# Altium PCB PCB1.PcbDoc (continued)
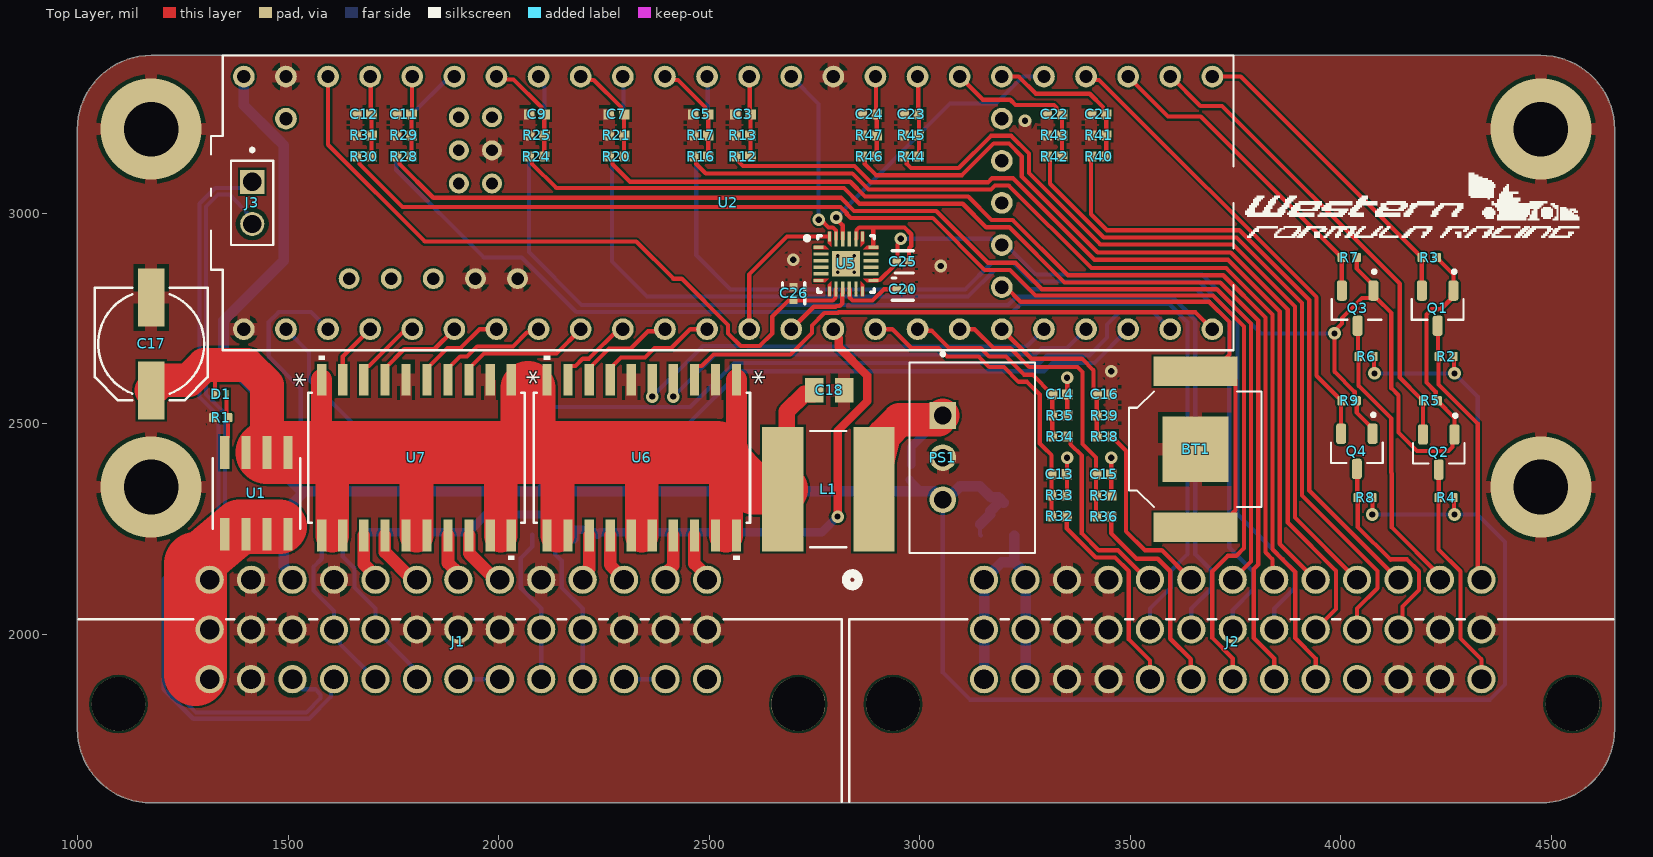
[diagram p0: Top Layer view]
## Footprints (in the part's own frame and the unit in brackets; to place one, negate y for a bottom-side part, rotate by r counter-clockwise, add the part's x,y. Pads: shape width x height; smd on the part's side, far side on the other; paste and mask are expansions set on the pad) (continued)
  rrect25% 0.5x0.55 smd: 1(-0.45,0) 2(0.45,0)
  body extent -0.5,-0.25 0.5,0.25, height 0.3
SO-8_AOS [mil]
  rect 78x22 smd paste+0 mask+0: 1(-97,75) 2(-97,25) 3(-97,-25) 4(-97,-75) 5(97,-75) 6(97,-25) 7(97,25) 8(97,75)
  silkscreen extent -84,-104 84,104, body extent -122,-99 122,99, height 69
SOIC127P600X175-8N [mm]
  rect 1.5x0.6 smd: 1(-2.65,1.905) 2(-2.65,0.635) 3(-2.65,-0.635) 4(-2.65,-1.905) 5(2.65,-1.905) 6(2.65,-0.635) 7(2.65,0.635) 8(2.65,1.905)
  silkscreen extent -2.84,-2.45 1.58,2.64
SOIC-20_INF [mil]
  rect 75x22 smd paste+0 mask+0: 1(-185,225) 2(-185,175) 3(-185,125) 4(-185,75) 5(-185,25) 6(-185,-25) 7(-185,-75) 8(-185,-125) 9(-185,-175) 10(-185,-225) 11(185,-225) 12(185,-175) 13(185,-125) 14(185,-75) 15(185,-25) 16(185,25) 17(185,75) 18(185,125) 19(185,175) 20(185,225)
  silkscreen extent -242,-257 242,257, body extent -209,-252 209,252, height 104
SOT95P237X111-3N [mm]
  rrect50% 1.23x0.6 smd: 1(-1.06,0.95) 2(-1.06,-0.95) 3(1.06,0)
  silkscreen extent -2.3,-1.56 0.7,1.56
WURTH_61300211121 [mm]
  rect 1.45x1.45 / inner round 1.45 / far side rect 1.45x1.45 hole 1.1: 01(-1.27,0)
  round 1.45 hole 1.1: 02(1.27,0)
  silkscreen extent -3.29,-1.27 2.54,1.27

## Part data
BT1: library part CMP-240-000000-1, Package=None, Availability=Unavailable, Component Type=Standard, Design Item ID=2998TR, MP=2998TR, Pin Count=3, Price=None, Source=2998TR.SchLib
C1 C2 C29 C30: library part CMP-001-00065-4, "Chip Capacitor, 100nF +/-20%, 25V, 0402, Thickness 0.6 mm", Case/Package=0402, Max Operating Temperature=85°C, Min Operating Temperature=-55°C, Tolerance=10%, Voltage Rating=25V, Mounting Technology=SMT, Pins=2
C3 C4 C5 C6 C7 C8 C9 C10 C11 C12 C13 C14 C15 C16 C21 C22 C23 C24: library part CMP-001-00107-1, "33nF capacitor"
C17: library part CMP-174-000000-1, "100 ÂµF 35 V Aluminum Electrolytic Capacitors Radial, Can - SMD - 2000 Hrs @ 105Â°C", Package="Radial WÃ¼rth Elektronik", Availability="In Stock", Check_prices=https://www.snapeda.com/parts/865080545012/Wurth+Elektronik/view-part/?ref=eda, Component Type=Standard, Design Item ID=865080545012, MF="WÃ¼rth Elektronik", MP=865080545012, Pin Count=2, Price=None, Purchase-URL=https://pricing.snapeda.com/search/part/865080545012/?ref=eda, SnapEDA_Link=https://www.snapeda.com/parts/865080545012/Wurth+Elektronik/view-part/?ref=snap, Source=865080545012.SchLib
C18: library part CMP-001-00102-1, "SMD capacitor X5R(EIA) with capacitance 10uF Tol.10%. Rated voltage 50Vdc 85C", Case/Package="2012 Murata", Availability=Warning, Component Type=Standard, Design Item ID=GRM21BR61H106KE43L, DigiKey-Purchase-URL=https://snapeda.com/shop?store=DigiKey&id=4467420, MF="Murata Electronics", Mouser-Purchase-URL=https://snapeda.com/shop?store=Mouser&id=4467420, MP=GRM21BR61H106KE43L, Pins=2, Price=None, SnapEDA_Link=https://www.snapeda.com/parts/GRM21BR61H106KE43L/Murata/view-part/4467420/?ref=snap, Source=GRM21BR61H106KE43L.SchLib
C19: library part CMP-001-00066-3, "Chip Capacitor, 1nF +/-20%, 50V, 0402, Thickness 0.33 mm", Case/Package=0402, Max Operating Temperature=85°C, Min Operating Temperature=-55°C, Tolerance=10%, Voltage Rating=50V, Mounting Technology=SMT, Pins=2
C20 C25 C28: library part CMP-13271-002336-1, "Cap Ceramic 100nF 50V X7R ±10% SMD 0402 +125°C Paper T/R"
C26: library part CMP-13271-000387-1, "Cap Ceramic 10nF 50V X7R ±10% SMD 0402 +125°C Paper T/R", Capacitance=10nF, Case Code (Imperial)=0402, Case Code (Metric)=1005, Dielectric=X7R, Max Operating Temperature=125°C, Min Operating Temperature=-55°C, Package Quantity=1, Tolerance=10%, Voltage=50V, Case/Package=0402, Contact Plating=Tin, Depth=0.5mm, Height=0.5mm, Lead Free="Lead Free", Length=1mm, Material=Ceramic, Mount="Surface Mount", Packaging="Tape and Reel", Radiation Hardening=No, Thickness=0.022inch, Voltage Rating=50V, Voltage Rating (DC)=50V, Width=0.02inch
C27: library part CMP-001-00109-1, Case/Package=None, Availability=Unavailable, Component Type=Standard, Design Item ID=GRM31CR61A107MEA8L, MP=GRM31CR61A107MEA8L, Pins=2, Price=None, Source=GRM31CR61A107MEA8L.SchLib
D1: library part CMP-122-000001-1, "No Description Available", Mfr_Name=Vishay, Copyright="Copyright (C) 2023 Ultra Librarian. All rights reserved.", Design Item ID=BZX884B12L-HG3-08, Manufacturer_Part_Number=BZX884B12L-HG3-08, RefDes=RefDes, Source=BZX884B12L-HG3-08.SchLib, Type=DEV
F1: library part CMP-005-00022-2, "No Description Available", Mfr_Name=Eaton, Copyright="Copyright (C) 2023 Ultra Librarian. All rights reserved.", Design Item ID=PTSLR06036V300, Manufacturer_Part_Number=PTSLR06036V300, RefDes=RefDes, Source=PTSLR06036V300.SchLib, Type=DEV
J1 J2: library part CMP-208-000000-6, "No Description Available", Mfr_Name="JAE Electronics", Copyright="Copyright (C) 2023 Ultra Librarian. All rights reserved.", Design Item ID=MX47039NF1, Manufacturer_Part_Number=MX47039NF1, RefDes=RefDes, Source=MX47039NF1.SchLib, Type=DEV
J3: library part CMP-002-00083-1, "Connector Header Through Hole 2 position 0.100 (2.54mm)", Case/Package=None, Check_prices=https://www.snapeda.com/parts/61300211121/Wurth+Electronics+Inc./view-part/?ref=eda, Component Type=Standard, Design Item ID=61300211121, MF="Wurth Electronics", MP=61300211121, Pins=2, SnapEDA_Link=https://www.snapeda.com/parts/61300211121/Wurth+Electronics+Inc./view-part/?ref=snap, Source=61300211121.SchLib
L1: library part CMP-006-00026-1, "Line Inductors for RECOM Power Supply", Case/Package="Nonstandard Recom Power", Arrow_Electronics-Purchase-URL=https://snapeda.com/shop?store=Arrow+Electronics&id=3641538, Availability=Bad, Component Type=Standard, Design Item ID=RLS-186, DigiKey-Purchase-URL=https://snapeda.com/shop?store=DigiKey&id=3641538, MF="Recom Power", Mouser-Purchase-URL=https://snapeda.com/shop?store=Mouser&id=3641538, MP=RLS-186, Pins=2, Price=None, SnapEDA_Link=https://www.snapeda.com/parts/RLS-186/Recom%20Power/view-part/3641538/?ref=snap, Source=RLS-186.SchLib
PS1: library part CMP-009-00200-1, "1A DC/DC-Converter 'INNOLINE' SIP3 reg", Case/Package=None, Availability="In Stock", Check_prices=https://www.snapeda.com/parts/R-78K5.0-1.0/Recom+Power/view-part/?ref=eda, Component Type=Standard, Design Item ID=R-78K5.0-1.0, MF="Recom Power", MP=R-78K5.0-1.0, Pins=3, Price=None, Purchase-URL=https://pricing.snapeda.com/search/part/R-78K5.0-1.0/?ref=eda, SnapEDA_Link=https://www.snapeda.com/parts/R-78K5.0-1.0/Recom+Power/view-part/?ref=snap, Source=R-78K5.0-1.0.SchLib
Q1 Q2 Q3 Q4: library part CMP-017-000000-1, "N-Channel 60V 260mA _Ta_ 300mW _Ta_ Surface Mount SOT-23-3 _TO-236_", Package="SOT-23 ON Semiconductor", Availability=Unavailable, Component Type=Standard, Design Item ID=NTR5103NT1G, MF="ON Semiconductor", MP=NTR5103NT1G, Pin Count=3, Price=None, SnapEDA_Link=https://www.snapeda.com/parts/NTR5103NT1G/ON%20Semiconductor/view-part/565803/?ref=snap, Source=SnapEDAsch.SchLib
R1 R2 R3 R4 R5 R6 R7 R8 R9: library part CMP-009-00168-3, "Chip Resistor, 100 kOhms, +/-1 %, 63 mW, -55 to 155 degC, 0402", Case/Package=0402, Max Operating Temperature=155°C, Min Operating Temperature=-55°C, Power=63mW, Tolerance=1%, Pins=2
R12 R14: library part CMP-009-00205-1, "20k", Case/Package=0402
R13 R15 R17 R19 R21 R23 R25 R27 R29 R31 R33 R35 R37 R39 R41 R43 R45 R47: library part CMP-009-00206-1, "30k Resistor"
R16 R18 R20 R22 R24 R26 R28 R30 R32 R34 R36 R38 R40 R42 R44 R46: library part CMP-009-00205-1, Case/Package=0402
U1: library part CMP-119-000000-1, "No Description Available", Mfr_Name="Alpha and Omega Semiconductor", Copyright="Copyright (C) 2023 Ultra Librarian. All rights reserved.", Design Item ID=AO4425, Manufacturer_Part_Number=AO4425, RefDes=RefDes, Source=AO4286.SchLib, Type=DEV
U2: library part CMP-160-000000-1, "RT1062 Teensy 4.1 series ARMÂ® CortexÂ®-M7 MPU Embedded Evaluation Board", Package=None, Availability="In Stock", Check_prices=https://www.snapeda.com/parts/DEV-16771/SparkFun+Electronics/view-part/?ref=eda, Component Type=Standard, Design Item ID=DEV-16771, MF="SparkFun Electronics", MP=DEV-16771, Pin Count=65, Price=None, Purchase-URL=https://pricing.snapeda.com/search/part/DEV-16771/?ref=eda, SnapEDA_Link=https://www.snapeda.com/parts/DEV-16771/SparkFun+Electronics/view-part/?ref=snap, Source=DEV-16771.SchLib
U3 U4: library part CMP-229-000000-1, "1/1 Transceiver Half CANbus 8-SOIC", Package="SO-8 Microchip", Component Type=Standard, Design Item ID=MCP2562T-E/SN, Digi-Key_Part_Number=MCP2562T-E/SNCT-ND, Digi-Key_Purchase_URL=https://www.digikey.com/product-detail/en/microchip-technology/MCP2562T-E-SN/MCP2562T-E-SNCT-ND/5011025?utm_source=snapeda&utm_medium=aggregator&utm_campaign=symbol, MF=Microchip, MP=MCP2562T-E/SN, Pin Count=8, SnapEDA_Link=https://www.snapeda.com/parts/MCP2562T-E/SN/Microchip/view-part/554377/?ref=snap, Source=SnapEDAsch.SchLib
U5: library part CMP-2000-05154-1, "3-Axis Gyroscope and 3-Axis Accelerometer Motion Processing Unit with I2C and SPI, 1.71 to 3.45 V, -40 to 85 degC, 24-Pin QFN, RoHS, Tape and Reel", Manufacturer=InvenSense, Standard Package=1, Article Library=MCUsasSensorHubs, Category=Sensors,Transducers, Datasheet URL=https://datasheet.ciiva.com/29175/mpu-6500-spec-29175093.pdf, Datasheet Version="Rev. 1.0, 09/2013", Dynamic Catalog=MPU-6500Series, Family=Multifunction, Featured Product=InvenSense-MPU-6500Six-Axis(Gyro+Acceleromete)MEMSMotionTrackingDevices, Manufacturer URL=http://www.invensense.com/, Online Catalog=MPU-6500Series, Other Names=1428-1011-6, Output Type=Digital, Sensor Type=GyroscopeandAccelerometer, Series=-
U6 U7: library part CMP-201-000000-1, "No Description Available", Mfr_Name=Infineon, Copyright="Copyright (C) 2023 Ultra Librarian. All rights reserved.", Design Item ID=BTS724G, Manufacturer_Part_Number=BTS724G, RefDes=RefDes, Source=BTS724G.SchLib, Type=DEV

## Via types
v1: diameter 30/30/30/30 (per signal layer), hole 15, Top Layer to Bottom Layer, tented both sides, 17 vias
v2: diameter 19.68, hole 7.87, Top Layer to Bottom Layer, 4 vias
v3: diameter 240/240/240/240 (per signal layer), hole 130, Top Layer to Bottom Layer, 4 vias
v4: diameter 30/30/30/30 (per signal layer), hole 15, Top Layer to Bottom Layer, tented top, 1 vias

## Nets (pads, with @x,y where several pads share a name; then routed paths per layer and width w, separated by ;. In a path a pad name is that pad's centre, name@x,y a point inside that pad or via, vN(x,y) a via of type N, cw(c..) or ccw(c..) an arc to the next point about the centre after c; other vN are vias at no path point)
3.3-2V: C26.1 U2.3.3V_2 U5.8 | length 1669.7
  Top Layer w10: U2.3.3V_2 1595,3162.94 1824.83,2933.11 2326.89,2933.11 2415,2845 2435,2845 2545,2735 2545,2715 2575,2685 2619.97,2685 2649.98,2715.01 2649.98,2754.98 2688.47,2793.47 2727.28,2793.47 2727.52,2793.23 2793.71,2793.23 2800.32,2799.83 2800.32,2819.88 U5.8
3.3-3V: C25.1 Q1.1 Q2.1 Q3.1 Q4.1 R3.2 R5.2 R7.2 R9.2 U2.3.3V_3 U5.13 | length 2817.8
  Top Layer w10: U5.13 2891.02,2841.69 2905.17,2841.69 2939.95,2876.48 2939.95,2880.7 2944.25,2885 C25.1 ; C25.1@2947.21,2885 2947.21,2926.79 2955,2934.59 v1(2955,2940) ; R7.2 4037.72,2868.82 4077.4,2829.13 Q3.1 Q3.1@4077.4,2806.04 ; Q4.1 4075.51,2489.13 4037.72,2526.93 R9.2 4032.87,2559.84 4032.87,2576.24 3985,2624.12 v1(3985,2715) 3985,2720.41 4002.97,2738.38 4002.97,2751.68 4050.59,2799.3 4070.66,2799.3 Q3.1@4077.4,2806.04 ; R3.2 4227.72,2894.02 4232.56,2889.17 4233.54,2889.17 4267.4,2855.31 Q1.1 4261.15,2810.48 4261.15,2796.15 4237.48,2772.48 4215.44,2772.48 4203.19,2760.23 4203.19,2598.64 4225.59,2576.24 4225.59,2559.84 R5.2 4230.43,2554.02 4270,2514.45 Q2.1 4265,2470 4265,2445 4255.79,2435.79 4180.63,2435.79 4137,2479.42 4137,2568 4120,2585 4120,2763.44 4085.37,2798.08 4084.14,2798.08 4077.4,2804.82 Q3.1@4077.4,2806.04
  Bottom Layer w10: v1(2955,2940) 3168.69,2940 3183.77,2924.92 3205.08,2924.92 3275,2855 3670.63,2855 3810.63,2715 v1(3985,2715)
3.3V: C29.1 C30.1 U2.3.3V_1 U3.5 U4.5 | length 1719.7
  Top Layer w20: U2.3.3V_1 2795,2716.4 2807.72,2703.68 2807.72,2682.28 2875,2615 2875,2553.6 2805,2483.6 v1(2805,2280)
  Bottom Layer w20: U3.5 1680,2241.06 1681.81,2242.87 1723.74,2242.87 C29.1@1729.17,2237.44 ; C29.1@1730.83,2237.44 1736.26,2242.87 1927.84,2242.87 1969.97,2285 2140.29,2285 2176.34,2248.95 2211.25,2248.95 2217.33,2242.87 2228.74,2242.87 2234.33,2237.28 C30.1 ; U4.5 U4.5@2180,2240.33 ; C30.1@2235.83,2237.44 2241.26,2242.87 2767.87,2242.87 v1(2805,2280)
5VS: F1.2 J2.12 J2.13 J2.25 J2.26 J2.38 J2.39 | length 677.5
  Bottom Layer w25: J2.39 J2.26 J2.13 3194.66,2171.79 3224.5,2171.79 ; F1.2 3224.5,2171.79 ; J2.38 J2.25 J2.12 3251.3,2144.98 3224.5,2171.79
24V: C17.POS C18.1 D1.1 L1.1 U1.1 U1.2 U1.3 U6.1 U6.10 U6.11 U6.12 U6.15 U6.16 U6.19 U6.20 U7.1 U7.10 U7.11 U7.12 U7.15 U7.16 U7.19 U7.20 | length 3612
  Top Layer w10: 1325,2640 1326.5,2638.5 D1.1 ; 1580,2432 1605,2407 ; 2561.5,2388.5 2565,2392
  Top Layer w40: L1.1 2684.21,2354.21 2684.21,2529.21 2726.06,2571.06 2747.72,2571.06 2749.57,2572.91 C18.1
  Top Layer w50: 1580,2432 U7.10 ; 2565,2392 U6.1
  Top Layer w80: C17.POS 1198.9,2603.66 1263.66,2603.66 1300,2640 1325,2640 1403.14,2640 1450,2593.14 U1.2 ; 1605,2235 1605,2407 ; 1805,2235 1805,2410 ; 2005,2235 2005,2400 ; 2140,2235 2140,2385 ; 2340,2235 2340,2390 ; 2540,2235 2540,2360
  Top Layer w120: 2518,2432 2561.5,2388.5 2605,2345 L1.1
  Top Layer w130: 2070,2432 2070,2585
  Top Layer w150: U1.2 U1.1 1580,2432 2070,2432 2518,2432
24VI/O1: J2.1 Q1.3 R2.1 | length 646.3
  Top Layer w10: Q1.3 4231.14,2732.13 4231.14,2666.14 4232.28,2665 4232.28,2593.59 4325,2500.87 4325,2138.98 J2.1
24VI/O2: J2.27 Q2.3 R4.1 | length 540
  Top Layer w10: Q2.3 4232.6,2325.31 R4.1 4232.28,2201.86 4284.05,2150.09 4284.05,1990.95 4333.98,1941.02 J2.27
24VI/O3: J2.2 Q3.3 R6.1 | length 684.3
  Top Layer w10: Q3.3 4041.14,2732.13 4041.14,2661.14 R6.1 4042.28,2590.87 4120,2513.16 4120,2384.08 4121.21,2382.87 4121.21,2253.79 4235.55,2139.45 J2.2
24VI/O4: J2.16 Q4.3 R8.1 | length 487.2
  Top Layer w10: Q4.3 4039.06,2392.32 R8.1@4039.06,2325 ; R8.1 4040,2255.54 4118.79,2176.75 4120.54,2178.5 4157.22,2178.5 4185.63,2150.09 4185.63,2105.63 4146.3,2066.3 4146.3,2021.06 J2.16
+5: C1.1 C2.1 C19.2 C27.1 C28.1 F1.1 J1.11 PS1.3 R2.2 R4.2 R6.2 R8.2 U2.VIN U3.3 U4.3 | length 6773.3
  Top Layer w10: v1(4075,2285) 4075.22,2285.22 4075.22,2324.78 R8.2 ; R6.2 4078.86,2658.86 4078.86,2621.14 v1(4080,2620) ; R4.2 4268.86,2323.86 4268.86,2286.14 v1(4270,2285) ; R2.2 4268.86,2658.86 4268.86,2621.14 v1(4270,2620)
  Bottom Layer w10: 3000,2340 3000,2343.27 ; PS1.3@3035,2340 PS1.3 3055,1910 3119.72,1845.28 4354.07,1845.28 4390,1881.21 4390,2220 4325,2285 ; 3143.39,2261.61 3143.39,2237.11 F1.1 ; 3167.4,2285.61 C27.1@3167.4,2292.13 ; C27.1@3187.8,2312.52 C27.1 ; v1(4075,2285) v1(4270,2285) 4325,2285 ; v1(4080,2620) v1(4270,2620) 4325,2565 4325,2285
  Bottom Layer w20: C19.2@2975.98,2367.28 3000,2343.27
  Bottom Layer w25: U2.VIN 1395,3256.69 1475.02,3176.67 1475.36,3176.67 1490,3162.03 1490,2888.15 1346.75,2744.91 1346.75,2653.25 1450,2550 1450,2421.18 1531.18,2340 1540,2340 ; J1.11 1510.75,2141.37 1490,2162.11 1490,2290 1540,2340 ; C1.1 1617.72,2494.02 1630,2481.73 U3.3 1630,2360.86 1609.14,2340 ; C2.1 2117.72,2494.02 2130,2481.73 U4.3 2130,2372.82 2097.18,2340 ; PS1.3@3035,2340 3000,2340 2097.18,2340 ; PS1.3 3063.45,2320 3095.71,2352.26 3142.74,2352.26 3169.59,2325.41 3187.11,2325.41 C27.1 ; 3143.39,2261.61 3167.4,2285.61 ; C27.1@3167.4,2292.13 C27.1@3187.8,2312.52 ; 1540,2340 1609.14,2340 ; 1609.14,2340 2097.18,2340
A1: C3.1 R12.2 R13.1 U2.14 | length 191.2
  Top Layer w10: U2.14 2596.56,3323.37 2596.56,3236.56 C3.1 R12.2
A2: C4.1 R14.2 R15.1 U2.15 | length 191.2
  Bottom Layer w10: U2.15 2496.56,3323.37 2496.56,3236.56 C4.1 R14.2
A3: C5.1 R16.2 R17.1 U2.16 | length 246.3
  Top Layer w10: U2.16 2402.94,3316.98 2425.92,3316.98 2490.51,3252.39 2490.51,3242.2 2497.72,3235 C5.1 R16.2
A4: C6.1 R18.2 R19.1 U2.17 | length 191.2
  Bottom Layer w10: U2.17 2296.56,3323.37 2296.56,3236.56 C6.1 R18.2
A5: C7.1 R20.2 R21.1 U2.18 | length 246.3
  Top Layer w10: U2.18 2202.94,3316.98 2225.92,3316.98 2290.51,3252.39 2290.51,3242.2 2297.72,3235 C7.1 R20.2
A6: C8.1 R22.2 R23.1 U2.19 | length 196
  Bottom Layer w10: U2.19 2095,3313.69 2108.94,3299.76 C8.1 2108.52,3234.59 2108.52,3135.41 R22.2
A7: C9.1 R24.2 R25.1 U2.20 | length 257.5
  Top Layer w10: U2.20 2001.94,3317.98 2035.75,3317.98 2101.34,3252.39 2101.34,3242.2 2108.54,3235 C9.1 2108.52,3234.59 2108.52,3135.41 R24.2
A8: C10.1 R26.2 R27.1 U2.21 | length 239.3
  Bottom Layer w10: R26.2 R27.1 1793.5,3234.49 1883.94,3324.92 U2.21
A9: C11.1 R28.2 R29.1 U2.22 | length 190.7
  Top Layer w10: R28.2 C11.1 1794.06,3235.94 1794.06,3323.98 U2.22
A10: C12.1 R30.2 R31.1 U2.23 | length 191.2
  Top Layer w10: U2.23 1696.56,3323.37 1696.56,3236.56 C12.1 R30.2
A11: C13.1 R32.2 R33.1 U2.24 | length 754.8
  Top Layer w10: U2.24 2935.08,2724.92 2980,2680 3045,2680 3065,2660 3140,2660 3165,2635 3200,2635 3235,2600 3255,2600 3285,2570 3285,2453.59 3295.79,2442.8 3312.72,2425.87 C13.1 R33.1 R32.2
A12: C14.1 R34.2 R35.1 U2.25 | length 483.8
  Top Layer w10: U2.25 2998.77,2721.15 3028.85,2721.15 3070,2680 3145,2680 3165,2660 3205,2660 3248,2617 3267.61,2617 C14.1 R35.1 R34.2
A13: C15.1 R36.2 R37.1 U2.26 | length 690.3
  Top Layer w10: U2.26 3130.08,2724.92 3175,2680 3215,2680 3260,2635 3375,2635 3386.69,2623.31 3386.69,2452.53 3418.58,2420.64 C15.1 R37.1 R36.2
A14: C16.1 R38.2 R39.1 U2.27 | length 418.8
  Top Layer w10: U2.27 3264.92,2655 3385,2655 3412.64,2627.36 3412.64,2577.2 3419.84,2570 C16.1 R39.1 R38.2
A15: C21.1 R40.2 R41.1 U2.38 | length 391.3
  Top Layer w10: U2.38 3235.08,3324.92 3275.83,3284.17 3403.73,3284.17 3435.51,3252.39 3435.51,3242.2 3442.72,3235 C21.1 R41.1 R40.2
A16: C22.1 R42.2 R43.1 U2.39 | length 382.3
  Top Layer w10: U2.39 3149.92,3270 3215,3270 3227.8,3257.2 3318.63,3257.2 3324.49,3251.35 3324.49,3248.06 3330.35,3242.2 3330.91,3242.2 C22.1 R43.1 R42.2
A17: C23.1 R44.2 R45.1 U2.40 | length 191.2
  Top Layer w10: U2.40 2996.56,3323.37 2996.56,3236.56 C23.1 R45.1 R44.2
A18: C24.1 R46.2 R47.1 U2.41 | length 191.2
  Top Layer w10: U2.41 2896.56,3323.37 2896.56,3236.56 C24.1 R47.1 R46.2
"Analog IN 1": J2.5 R12.1 | length 2128.2
  Top Layer w10: R12.1 2562.28,3135 2569.49,3127.8 2569.49,3123.46 2580.16,3112.8 2845.12,3112.8 2884.12,3073.8 3162.21,3073.8 3171.81,3083.4 3221.6,3083.4 3415,2890 3731.8,2890 3855,2766.8 3855,2215.28 J2.5
"Analog IN 2": J2.19 R14.1 | length 2450
  Bottom Layer w10: R14.1 2462.28,3135 2469.49,3127.8 2469.49,2901.02 2550.96,2819.55 3107.96,2819.55 3171.08,2882.67 3222.33,2882.67 3267,2838 3663.59,2838 3755,2746.59 3755,2285.44 3890.35,2150.09 3890.35,2109.91 3841.85,2061.41 J2.19
"Analog IN 3": J2.31 R16.1 | length 2453.8
  Top Layer w10: R16.1 2462.28,3135 2469.49,3127.8 2469.49,3117.61 2492.09,3095 2840,3095 2878.2,3056.8 3169.25,3056.8 3178.85,3066.4 3211.27,3066.4 3407.67,2870 3727.76,2870 3838,2759.76 3838,2202.44 3861.94,2178.5 3891.78,2148.66 3891.78,1991.8 3940.28,1943.3 J2.31
"Analog IN 4": J2.20 R18.1 | length 2604.3
  Bottom Layer w10: R18.1 2262.28,3135 2269.49,3127.8 2269.49,2885.51 2352.45,2802.55 3115,2802.55 3178.12,2865.67 3214.33,2865.67 3260,2820 3657.55,2820 3732.07,2745.48 3735,2742.55 3735,2732.69 cw(c3695,2724.92) 3735,2717.15 3735,2207.02 3791.93,2150.09 3791.93,2106.93 3743.43,2058.43 J2.20
"Analog IN 5": J2.6 R20.1 | length 2354.8
  Top Layer w10: R20.1 2262.28,3135 2269.49,3127.8 2269.49,3122.96 2270.51,3121.94 2270.51,3116.58 2312.09,3075 2835,3075 2870.2,3039.8 3115.2,3039.8 3170.83,2984.17 3220.83,2984.17 3352,2853 3720.71,2853 3821,2752.71 3821,2195.4 3837.9,2178.5 3837.9,2133.95 J2.6
"Analog IN 6": J2.21 R22.1 | length 2663.7
  Bottom Layer w10: R22.1 2071.89,2908.11 2197.33,2782.67 3210.37,2782.67 3229.71,2802 3599.59,2802 3654.25,2747.34 3654.25,2190.75 3693.5,2151.5 3693.5,2109.91 3645,2061.41 J2.21
"Analog IN 7": J2.32 R24.1 | length 2775.7
  Top Layer w10: R24.1 2072.28,3135 2079.49,3127.8 2079.49,3117.61 2137.09,3060 2820,3060 2857.2,3022.8 3102.2,3022.8 3157.83,2967.17 3212.83,2967.17 3344,2836 3713.67,2836 3804,2745.67 3804,2166.53 3793.35,2155.88 3793.35,1991.65 3841.85,1943.15 J2.32
"Analog IN 8": J2.22 R26.1 | length 2842.8
  Bottom Layer w10: R26.1 1756.89,3103.11 1965,2895 2055,2895 2184.33,2765.67 3220.67,2765.67 3240,2785 3592.55,2785 3632.82,2744.73 3635.75,2741.8 3635.75,2190.75 3596.5,2151.5 3596.5,2111.34 3546.58,2061.41 J2.22
"Analog IN 9": J2.7 R28.1 | length 2826.9
  Top Layer w10: R28.1 1757.28,3135 1764.49,3127.8 1764.49,3117.61 1844.89,3037.2 2812.8,3037.2 2844.2,3005.8 3039.2,3005.8 3162.33,2882.67 3227.33,2882.67 3290,2820 3705.63,2820 3787,2738.63 3787,2173.57 J2.7
"Analog IN 10": J2.33 R30.1 | length 3183.9
  Top Layer w10: R30.1 1662.28,3135 1669.49,3127.8 1669.49,3117.61 1772.09,3015 2791.11,3015 2791.51,3015.4 2812.22,3015.4 2826.86,3000.76 2826.86,2998.14 2836.2,2988.8 3031.2,2988.8 3154.33,2865.67 3214.33,2865.67 3275,2805 3696.59,2805 3770,2731.59 3770,2205 3751.88,2186.88 3731.72,2186.88 3694.93,2150.09 3694.93,1991.8 3743.43,1943.3 J2.33
"Analog IN 11": J2.35 R32.1 | length 495.6
  Top Layer w10: R32.1@3349.33,2280.83 3349.33,2251.63 3417.96,2183 3463.74,2183 3496.65,2150.09 3496.65,1988.35 3546.58,1938.42 J2.35
"Analog IN 12": J2.9 R34.1 | length 451.5
  Top Layer w10: R34.1 3351.22,2470 3358.42,2462.8 3358.42,2451.58 3385,2425 3385,2240 3425,2200 3470.96,2200 3540.96,2130 J2.9
"Analog IN 13": J2.34 R36.1 | length 494.4
  Top Layer w10: R36.1 3454.8,2240.2 3515,2180 3565.17,2180 3595.08,2150.09 3595.08,1989.92 3643.58,1941.42 3643.58,1895.2 J2.34
"Analog IN 14": J2.8 R38.1 | length 441.8
  Top Layer w10: R38.1 3456.85,2470 3464.06,2462.8 3464.06,2462.4 3490,2436.46 3490,2245 3535,2200 3575,2200 J2.8
"Analog IN 15": J2.3 R40.1 | length 1491.4
  Top Layer w10: R40.1 3406.89,2998.11 3445,2960 3759.04,2960 3925,2794.04 3925,2342.13 J2.3
"Analog IN 16": J2.17 R42.1 | length 1653.2
  Top Layer w10: R42.1 3302.28,3135 3309.49,3127.8 3309.49,3070.51 3437,2943 3752,2943 3908,2787 3908,2330.06 4087.2,2150.85 4087.2,2109.91 4038.7,2061.41 J2.17
"Analog IN 17": J2.4 R44.1 | length 1883.3
  Top Layer w10: R44.1 2962.28,3135 2969.49,3127.8 2969.49,3117.61 2979.3,3107.8 3092.8,3107.8 3169.17,3184.17 3217.42,3184.17 3259.33,3142.26 3259.33,3095.67 3429,2926 3744,2926 3891,2779 3891,2277.7 J2.4
"Analog IN 18": J2.18 R46.1 | length 2086
  Top Layer w10: R46.1 2862.28,3135 2869.49,3127.8 2869.49,3117.61 2896.3,3090.8 3100.8,3090.8 3175.67,3165.67 3211.88,3165.67 3242.33,3135.22 3242.33,3087.67 3422.93,2907.07 3738.77,2907.07 3874,2771.84 3874,2266 3988.78,2151.22 3988.78,2060.39 J2.18
"CAN1 H": J1.23 J1.35 U3.7 | length 412.1
  Bottom Layer w10: U3.7@1580,2237 1580,2180 1560.67,2160.67 1560.67,2104.33 1609.17,2055.83 1609.17,1996.47 1623.63,1982.01 1623.63,1977.75 J1.35
"CAN1 L": J1.22 J1.34 U3.6 | length 416.1
  Bottom Layer w10: U3.6@1630,2237 1630,2185 1657.67,2157.33 1657.67,2111.34 1707.6,2061.41 J1.22 1795.12,1924.37 1795.12,1904.69 J1.34
"CAN1 RX": U2.0 U3.4 | length 378.6
  Bottom Layer w10: U2.0 1550,2669.92 1550,2605 1680,2475 U3.4@1680,2423
"CAN1 TX": U2.1 U3.1 | length 517.7
  Bottom Layer w10: U3.1@1530,2423 1530,2584.07 1454.25,2659.81 1454.25,2741.8 1478.12,2765.67 1554.25,2765.67 U2.1
"CAN2 H": J1.18 J1.31 U4.7 | length 374.6
  Bottom Layer w10: U4.7@2080,2237 2080,2209 2052.8,2181.8 2052.8,2109.91 2101.3,2061.41 J1.18 J1.31
"CAN2 L": J1.17 J1.30 U4.6 | length 372.1
  Bottom Layer w10: U4.6@2130,2237 2134.61,2232.39 2134.61,2190.39 2149.8,2175.2 2149.8,2111.34 2199.72,2061.41 J1.17 J1.30
"CAN2 RX": U2.30 U4.4 | length 1456.3
  Bottom Layer w10: U4.4 2183,2437.33 2183,2473 2210,2500 2450,2500 2575,2625 3295,2625 3315,2645 3415.08,2645 U2.30
"CAN2 TX": U2.31 U4.1 | length 1781.5
  Bottom Layer w10: U4.1 2030,2509.42 2060.58,2540 2455,2540 2560,2645 3285,2645 3303,2663 3403,2663 3445,2705 3445,2736.31 3474.36,2765.67 3554.25,2765.67 U2.31
GND: BT1.N C1.2 C2.2 C3.2 C4.2 C5.2 C6.2 C7.2 C8.2 C9.2 C10.2 C11.2 C12.2 C13.2 C14.2 C15.2 C16.2 C17.NEG C18.2 C20.2 C21.2 C22.2 C23.2 C24.2 C25.2 C26.2 C27.2 C28.2 C29.2 C30.2 J1.5 J1.10 J1.12 J1.14 J1.15 J1.16 J1.19 J1.20 J1.21 J1.24 J1.25 J1.38 J2.10 J2.11 J2.14 J2.15 J2.23 J2.24 J2.28 J2.29 J2.36 J2.37 PS1.2 R1.1 R13.2 R15.2 R17.2 R19.2 R21.2 R23.2 R25.2 R27.2 R29.2 R31.2 R33.2 R35.2 R37.2 R39.2 R41.2 R43.2 R45.2 R47.2 U2.GND1 U2.GND2 U2.GND3 U2.GND4 U2.GND5 U2.USB_GND1 U2.USB_GND2 U3.2 U3.8 U4.2 U4.8 U5.18 U5.20 U6.2 U6.6 U7.2 U7.6 | length 546.3
  Top Layer w10: U5.20 2849.69,2940.12 2849.69,2960.17 2856.29,2966.77 2890,2966.77 ; U5.18 2889.96,2966.73 2890,2966.77 ; C25.2 2974.9,2917.28 2980,2922.38 2980,2950.36 2963.58,2966.77 2890,2966.77 ; R33.2 3349.47,2331.36 3349.47,2419.47 v1(3350,2420) ; v1(3350,2610) 3350.41,2609.59 3350.41,2520.41 R35.2 ; R37.2 3454.9,2330.1 3454.9,2419.9 v1(3455,2420)
  other v1: 3050,2875 2700,2890 3250,3220
  other v3: 1175,2350 4475,2350 1175,3200 4475,3200
  other v4: 3455,2625
HSD1: J1.1 U6.18 | length 117.4
  Top Layer w30: U6.18 2465,2168.59 2495,2138.59 J1.1
HSD2: J1.2 U6.17 | length 112.6
  Top Layer w30: J1.2 2396.57,2145.42 2415,2163.85 U6.17
HSD3: J1.3 U6.14 | length 118.7
  Top Layer w30: U6.14 2265,2165.44 2298.15,2132.29 J1.3
HSD4: J1.4 U6.13 | length 111.3
  Top Layer w30: J1.4 2199.72,2140.01 2215,2155.29 U6.13
HSD5: J1.6 U7.18 | length 141.1
  Top Layer w30: U7.18 1930,2192.86 1992.86,2130 J1.6
HSD6: J1.7 U7.17 | length 115.1
  Top Layer w30: U7.17 1880,2169.87 1904.45,2145.42 J1.7
HSD7: J1.8 U7.14 | length 142.4
  Top Layer w30: U7.14 1730,2196.01 1796.01,2130 J1.8
HSD8: J1.9 U7.13 | length 116.4
  Top Layer w30: U7.13 1680,2166.75 1707.6,2139.15 J1.9
HSDIN1: U2.32 U6.3 | length 1338.7
  Top Layer w10: U6.3 2465,2631.36 2471,2637.36 2482.36,2637.36 2510.08,2665.08 2692.78,2665.08 2743.93,2716.22 2743.93,2733.93 2773.23,2763.23 2806.14,2763.23 2807.91,2765 3654.92,2765 U2.32
HSDIN2: U2.28 U6.5 | length 1036.3
  Top Layer w10: v1(2365,2565) U6.5
  Bottom Layer w10: v1(2365,2565) 2485,2685 2586.83,2685 ccw(c2595,2724.92) 2595,2684.17 3195,2684.17 ccw(c3195,2724.92) 3195.59,2684.18 3255.08,2685 3258.01,2687.93 U2.28
HSDIN3: U2.10 U6.7 | length 295.2
  Top Layer w10: U6.7 2265,2631.5 2291,2657.5 2347.5,2657.5 2370,2680 2410,2680 2454.92,2724.92 U2.10
HSDIN4: U2.8 U6.9 | length 195.1
  Top Layer w10: U6.9 2165,2631.36 2171,2637.36 2182.36,2637.36 2200,2655 2215,2655 2284.92,2724.92 U2.8
HSDIN5: U2.7 U7.3 | length 330.2
  Top Layer w10: U7.3 1930,2631.5 1965.61,2667.11 2137.19,2667.11 U2.7
HSDIN6: U2.5 U7.5 | length 230.2
  Top Layer w10: U7.5 1830,2631.5 1878.5,2680 1910,2680 1954.92,2724.92 U2.5
HSDIN7: U2.4 U7.7 | length 230.2
  Top Layer w10: U7.7 1730,2631.5 1775.74,2677.24 1847.32,2677.24 U2.4
HSDIN8: U2.2 U7.9 | length 146.8
  Top Layer w10: U7.9 1630,2659.92 U2.2
HSDST1/2: U2.29 U6.4 | length 1086.2
  Top Layer w10: v1(2415,2565) U6.4
  Bottom Layer w10: v1(2415,2565) 2515,2665 3275,2665 3290,2680 3350.08,2680 U2.29
HSDST3/4: U2.9 U6.8 | length 245.2
  Top Layer w10: U6.8 2215,2631.5 2262.25,2678.75 2313.75,2678.75 2355,2720 2390.08,2720 U2.9
HSDST5/6: U2.6 U7.4 | length 280.2
  Top Layer w10: U7.4 1880,2631.5 1908.74,2660.24 1925.24,2660.24 1949.11,2684.11 1995.41,2684.11 2034.11,2684.11 2066.98,2716.98 2087.06,2716.98 U2.6
HSDST7/8: U2.3 U7.8 | length 180.2
  Top Layer w10: U7.8 1680,2631.5 1686,2637.5 1692.5,2637.5 1771.98,2716.98 1787.06,2716.98 U2.3
I/O1: Q1.2 R3.1 U2.33 | length 753.8
  Top Layer w10: U2.33 3762.36,3324.92 R3.1 4192.44,2894.84 4192.44,2816.89 Q1.2
I/O2: Q2.2 R5.1 U2.34 | length 1130.3
  Top Layer w10: U2.34 3596.4,3324.92 3666.33,3255 3718.16,3255 4140,2833.16 4140,2610 4189.17,2560.83 4190.16,2560.83 4195,2555.98 R5.1 4195.1,2554.9 4195.1,2475.1 Q2.2
I/O3: Q3.2 R7.1 U2.35 | length 764.3
  Top Layer w10: U2.35 3589.92,3230 3667.28,3230 3996.46,2900.83 3997.44,2900.83 4002.28,2895.98 R7.1 4002.44,2894.84 Q3.2@4002.44,2829.13 ; Q3.2 Q3.2@4002.6,2829.13
I/O4: Q4.2 R9.1 U2.36 | length 1112.9
  Top Layer w10: U2.36 3402.94,3316.98 3426.1,3316.98 3942,2801.08 3942,2614.34 R9.1@4001.34,2555 ; Q4.2 R9.1@4000.71,2555
MISO: U2.12 U5.9 | length 181.8
  Top Layer w10: U2.12 2748.31,2778.23 2799.92,2778.23 2801.69,2780 2810.21,2780 2816.06,2785.86 2816.06,2808.51 2817.13,2809.57 U5.9
MOSI: U2.11 U5.24 | length 358
  Top Layer w10: U2.11 2595,2855 2684.96,2944.96 U5.24
nCS: U2.37 U5.22 | length 691.7
  Top Layer w10: v1(2801.86,2990.4) 2801.86,2987.03 2817.13,2971.77 U5.22
  Bottom Layer w10: v1@2799.56,2990.4 v1(2801.86,2990.4) 3072.13,3260.67 3181.3,3260.67 3245.56,3324.92 U2.37
NetBT1_P1: BT1.P1 BT1.P2 U2.VBAT | length 1219.3
  Top Layer w10: U2.VBAT 3205.08,2824.92 3240,2790 3687.55,2790 3735.75,2741.8 3735.75,2665.04 BT1.P2@3705.71,2635 ; BT1.P1@3655,2264.92 3719.96,2264.92 3750,2294.96 3750,2604.96 3719.96,2635 BT1.P2@3705.71,2635 ; BT1.P2@3655,2635 BT1.P2@3705.71,2635
NetC19_1: C19.1 L1.2 PS1.1 | length 551.2
  Top Layer w10: L1.2@2891.54,2443.43 2912.86,2464.75 L1.2@2935.75,2487.64 ; 3014.94,2495.33 3030.33,2495.33 PS1.1
  Top Layer w80: L1.2 2896.63,2396.68 2912.86,2464.75 2914.84,2473.06 2951.78,2510 3045,2510 PS1.1
  Bottom Layer w20: C19.1 2980,2445 PS1.1
NetC20_1: C20.1 U5.10 | length 146.5
  Top Layer w10: U5.10 2833.94,2819.88 2833.94,2799.83 2840.54,2793.23 2888.23,2793.23 2915,2820 C20.1
NetD1_2: D1.2 R1.2 U1.4 | length 142.9
  Top Layer w10: U1.4 1350,2460 1357.72,2467.72 R1.2 1354,2518.72 1354,2569.5 D1.2
NetJ1_13: J1.13 J1.26 J1.39 U1.5 U1.6 U1.7 U1.8 | length 495
  Top Layer w130: 1280,2168 1281.2,2169.01 1355.58,2231.34 1384.95,2255.96 1385,2256 1480,2256
  Top Layer w150: 1280,1905 1280,2168
NetJ1_28: J1.28 J1.29 | length 98.4
  Bottom Layer w10: J1.29 J1.28
NetJ1_32: J1.32 J1.33 | length 98.4
  Bottom Layer w10: J1.33 J1.32
SCLK: U2.13 U5.23 | length 439
  Top Layer w10: v1(2760,2985) 2765.41,2985 2783.64,2966.77 2793.71,2966.77 2801.38,2959.1 U5.23
  Bottom Layer w10: U2.13 2760,3259.92 v1(2760,2985)
USB_N: J1.37 J3.02 | length 1860.1
  Bottom Layer w10: J3.02 1415,2987.74 1401.71,3001.03 1401.71,3003.29 1367.69,3037.31 1367.69,3038.25 1360.94,3045 1333.38,3045 1305,3016.62 1305,2569.85 1350,2524.85 1350,2255 1220,2125 1220,1876.21 1281.21,1815 1543.49,1815 1577.29,1848.8 1577.29,1857.08 1575.35,1859.02 cw(c1609.17,1893.78) 1569.11,1866.44 1568.48,1867.07 ; J1.37 1534.53,1870 1565.55,1870 1568.46,1867.09
USB_P: J1.36 J3.01 | length 1864
  Bottom Layer w10: J3.01 1400,3060 1327.17,3060 1290,3022.83 1290,2563.63 1335,2518.63 1335,2261.21 1205,2131.21 1205,1870 1275,1800 1549.71,1800 1602.04,1852.33 1602.04,1886.64 J1.36
pads on no net: J1.27 J1.40 J1.41 J2.30 J2.40 J2.41 U2.5V U2.D+ U2.D- U2.LED U2.ON/OFF U2.PROGRAM U2.R+ U2.R- U2.T+ U2.T- U2.VUSB U5.1 U5.2 U5.3 U5.4 U5.5 U5.6 U5.7 U5.11 U5.12 U5.14 U5.15 U5.16 U5.17 U5.19 U5.21 U5.25
copper on no net:
  other v2: 2805.32,2860.32 2844.68,2860.32 2805.32,2899.68 2844.68,2899.68

## Polygon pours and split planes (outlines as drawn)
GND on Layer 1 "GND_L02_P000" (solid, pour order 0): 1000,1775 1000,3200 cw(c1175,3200) 1175,3375 4475,3375 cw(c4475,3200) 4650,3200 4650,1775 cw(c4475,1775) 4475,1600 1175,1600 cw(c1175,1775)
GND on Layer 2 "GND_L03_P001" (solid, pour order 1): 1000,1775 1000,3200 cw(c1175,3200) 1175,3375 4475,3375 cw(c4475,3200) 4650,3200 4650,1775 cw(c4475,1775) 4475,1600 1175,1600 cw(c1175,1775)
GND on Bottom Layer "GND_L04_P002" (solid, pour order 2): 1000,1775 1000,3200 cw(c1175,3200) 1175,3375 4475,3375 cw(c4475,3200) 4650,3200 4650,1775 cw(c4475,1775) 4475,1600 1175,1600 cw(c1175,1775)
GND on Top Layer "GND_L01_P003" (solid, pour order 3): 1000,1775 1000,3200 cw(c1175,3200) 1175,3375 4475,3375 cw(c4475,3200) 4650,3200 4650,1775 cw(c4475,1775) 4475,1600 1175,1600 cw(c1175,1775)

## Silkscreen, mask and mechanical layers (free items; w line width, h text height)
Top Overlay:
  drawing of 29 lines, arcs and shapes, not listed
Board Layout:
  the board outline again, w10

## Text inside footprints (layer, text, board x,y; h text height)
U1: Mechanical 13 "*" at 1470.5,2411 h50 r270; Top Overlay "*" at 1492.13,2621.94 h50 r270
U2: Mechanical 13 "Teensy 4.1" at 2535.16,3038.31 h50
U6: Mechanical 13 "*" at 2539,2567 h50 r270; Top Overlay "*" at 2582,2627.5 h50 r270
U7: Mechanical 13 "*" at 2004,2567 h50 r270; Top Overlay "*" at 2047,2627.5 h50 r270